# KiCad board Dhlyd2HndMax26.kicad_pcb
title: Post-Mechanical Maximux 26; date: 2026-07-06; rev: 1.3; company: Quixotic Keyboards Shop; note: Rear USB with Num Lk and Caps Lk LEDs; note: Moved U1 inboard for Case fit at USB port; note: Changed to under the keycap LED indicators; note: Corrected position pin 12 Elite-Pi
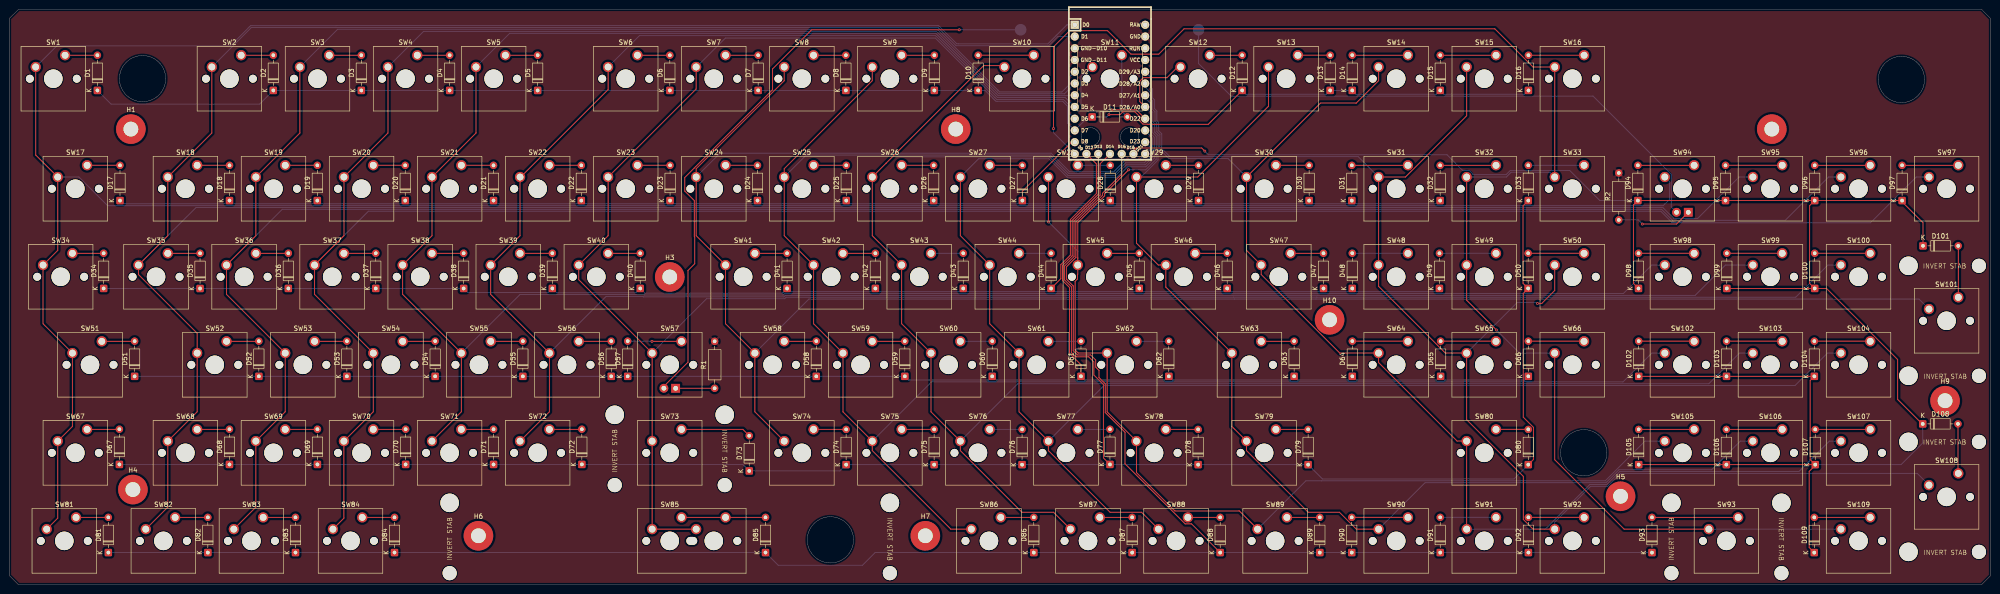
[diagram p0: board, top side]
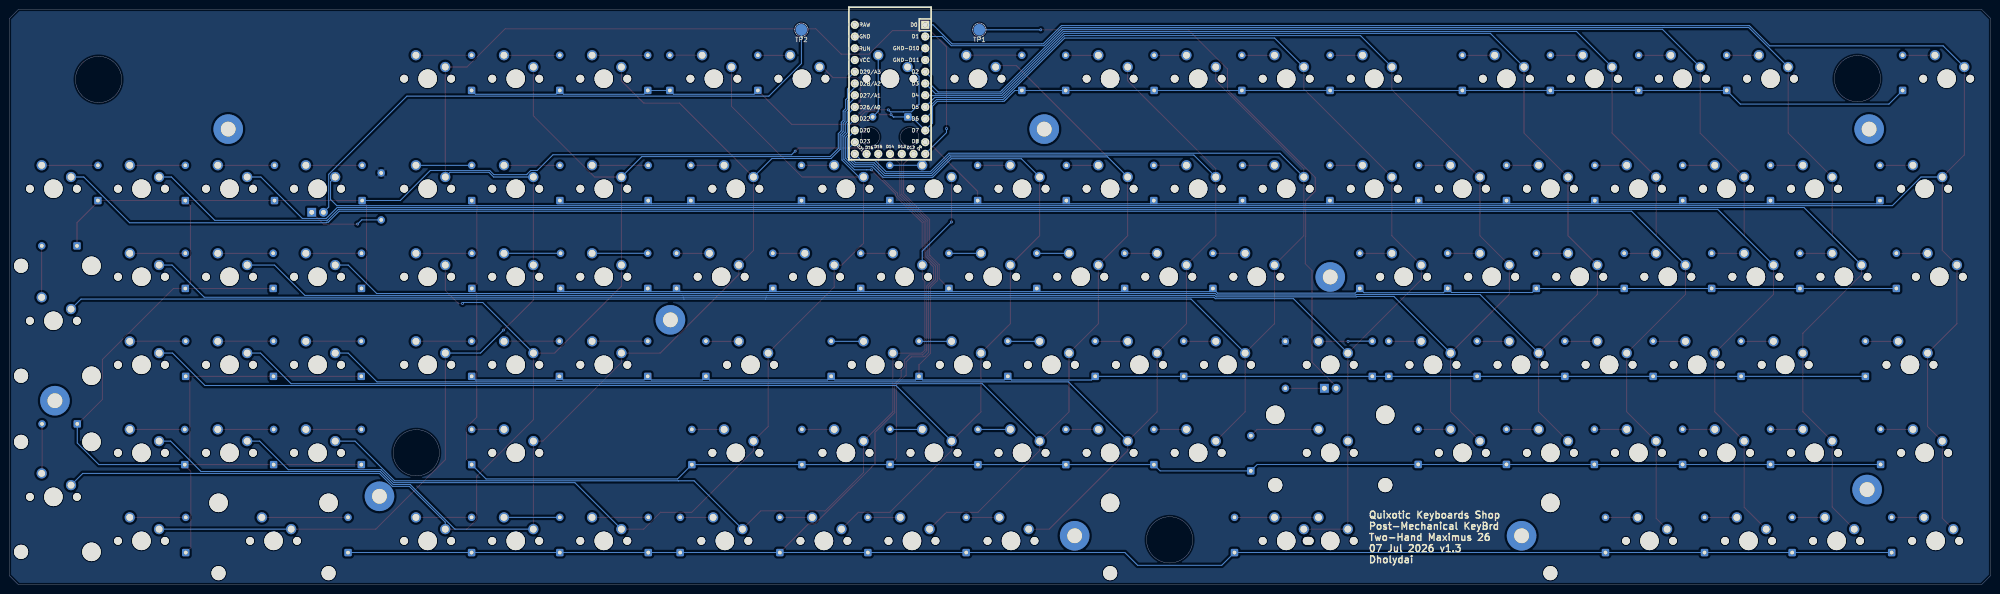
[diagram p1: board, bottom side, seen from below]

Outline 428.66 x 124.54 mm; copper layers: Top, Bottom. Coordinates in mm from the lower left corner of the outline.
Outline path: circle c28.84,109.52 r5 ; circle c177.64,9.72 r5 ; circle c233.9,96.9 r2 ; circle c242.4,96.9 r2 ; circle c340.61,28.57 r5 ; circle c409.34,109.34 r5 ; 0,2 0,122.54 2.01,124.54 426.66,124.54 428.66,122.49 428.66,2 426.66,0 2,0 0,2
Stack: Top 0.035mm / dielectric 1.51mm FR4 er 4.5 / Bottom 0.035mm

## Placement (name value [footprint] x y rotation side)
D1  1N4148  [D_DO-35_SOD27_P7.62mm_Horizontal]  19.07 106.97 90 top
D2  1N4148  [D_DO-35_SOD27_P7.62mm_Horizontal]  57.13 106.97 90 top
D3  1N4148  [D_DO-35_SOD27_P7.62mm_Horizontal]  76.17 106.97 90 top
D4  1N4148  [D_DO-35_SOD27_P7.62mm_Horizontal]  95.27 106.97 90 top
D5  1N4148  [D_DO-35_SOD27_P7.62mm_Horizontal]  114.31 106.97 90 top
D6  1N4148  [D_DO-35_SOD27_P7.62mm_Horizontal]  142.91 106.97 90 top
D7  1N4148  [D_DO-35_SOD27_P7.62mm_Horizontal]  162.01 106.97 90 top
D8  1N4148  [D_DO-35_SOD27_P7.62mm_Horizontal]  180.99 106.97 90 top
D9  1N4148  [D_DO-35_SOD27_P7.62mm_Horizontal]  200.13 106.97 90 top
D10  1N4148  [D_DO-35_SOD27_P7.62mm_Horizontal]  209.61 106.97 90 top
D11  1N4148  [D_DO-35_SOD27_P7.62mm_Horizontal]  234.27 101.24 0 top
D12  1N4148  [D_DO-35_SOD27_P7.62mm_Horizontal]  266.72 106.97 90 top
D13  1N4148  [D_DO-35_SOD27_P7.62mm_Horizontal]  285.76 106.97 90 top
D14  1N4148  [D_DO-35_SOD27_P7.62mm_Horizontal]  290.53 106.97 90 top
D15  1N4148  [D_DO-35_SOD27_P7.62mm_Horizontal]  309.57 106.97 90 top
D16  1N4148  [D_DO-35_SOD27_P7.62mm_Horizontal]  328.65 106.97 90 top
D17  1N4148  [D_DO-35_SOD27_P7.62mm_Horizontal]  23.96 83.14 90 top
D18  1N4148  [D_DO-35_SOD27_P7.62mm_Horizontal]  47.65 83.14 90 top
D19  1N4148  [D_DO-35_SOD27_P7.62mm_Horizontal]  66.65 83.14 90 top
D20  1N4148  [D_DO-35_SOD27_P7.62mm_Horizontal]  85.66 83.14 90 top
D21  1N4148  [D_DO-35_SOD27_P7.62mm_Horizontal]  104.76 83.14 90 top
D22  1N4148  [D_DO-35_SOD27_P7.62mm_Horizontal]  123.76 83.14 90 top
D23  1N4148  [D_DO-35_SOD27_P7.62mm_Horizontal]  142.96 83.14 90 top
D24  1N4148  [D_DO-35_SOD27_P7.62mm_Horizontal]  161.87 83.14 90 top
D25  1N4148  [D_DO-35_SOD27_P7.62mm_Horizontal]  181.07 83.14 90 top
D26  1N4148  [D_DO-35_SOD27_P7.62mm_Horizontal]  199.98 83.14 90 top
D27  1N4148  [D_DO-35_SOD27_P7.62mm_Horizontal]  219.17 83.14 90 top
D28  1N4148  [D_DO-35_SOD27_P7.62mm_Horizontal]  238.18 83.14 90 top
D29  1N4148  [D_DO-35_SOD27_P7.62mm_Horizontal]  257.28 83.14 90 top
D30  1N4148  [D_DO-35_SOD27_P7.62mm_Horizontal]  281.21 83.14 90 top
D31  1N4148  [D_DO-35_SOD27_P7.62mm_Horizontal]  290.44 83.14 90 top
D32  1N4148  [D_DO-35_SOD27_P7.62mm_Horizontal]  309.55 83.14 90 top
D33  1N4148  [D_DO-35_SOD27_P7.62mm_Horizontal]  328.62 83.14 90 top
D34  1N4148  [D_DO-35_SOD27_P7.62mm_Horizontal]  20.42 64.12 90 top
D35  1N4148  [D_DO-35_SOD27_P7.62mm_Horizontal]  41.28 64.11 90 top
D36  1N4148  [D_DO-35_SOD27_P7.62mm_Horizontal]  60.38 64.12 90 top
D37  1N4148  [D_DO-35_SOD27_P7.62mm_Horizontal]  79.29 64.12 90 top
D38  1N4148  [D_DO-35_SOD27_P7.62mm_Horizontal]  98.3 64.12 90 top
D39  1N4148  [D_DO-35_SOD27_P7.62mm_Horizontal]  117.49 64.12 90 top
D40  1N4148  [D_DO-35_SOD27_P7.62mm_Horizontal]  136.5 64.12 90 top
D41  1N4148  [D_DO-35_SOD27_P7.62mm_Horizontal]  168.27 64.12 90 top
D42  1N4148  [D_DO-35_SOD27_P7.62mm_Horizontal]  187.37 64.12 90 top
D43  1N4148  [D_DO-35_SOD27_P7.62mm_Horizontal]  206.38 64.12 90 top
D44  1N4148  [D_DO-35_SOD27_P7.62mm_Horizontal]  225.38 64.12 90 top
D45  1N4148  [D_DO-35_SOD27_P7.62mm_Horizontal]  244.47 64.12 90 top
D46  1N4148  [D_DO-35_SOD27_P7.62mm_Horizontal]  263.48 64.12 90 top
D47  1N4148  [D_DO-35_SOD27_P7.62mm_Horizontal]  284.31 64.12 90 top
D48  1N4148  [D_DO-35_SOD27_P7.62mm_Horizontal]  290.54 64.12 90 top
D49  1N4148  [D_DO-35_SOD27_P7.62mm_Horizontal]  309.4 64.12 90 top
D50  1N4148  [D_DO-35_SOD27_P7.62mm_Horizontal]  328.59 64.12 90 top
D51  1N4148  [D_DO-35_SOD27_P7.62mm_Horizontal]  27.12 45.1 90 top
D52  1N4148  [D_DO-35_SOD27_P7.62mm_Horizontal]  54 45.1 90 top
D53  1N4148  [D_DO-35_SOD27_P7.62mm_Horizontal]  73.04 45.1 90 top
D54  1N4148  [D_DO-35_SOD27_P7.62mm_Horizontal]  92.14 45.1 90 top
D55  1N4148  [D_DO-35_SOD27_P7.62mm_Horizontal]  111.11 45.1 90 top
D56  1N4148  [D_DO-35_SOD27_P7.62mm_Horizontal]  130.23 45.1 90 top
D57  1N4148  [D_DO-35_SOD27_P7.62mm_Horizontal]  133.79 45.1 90 top
D58  1N4148  [D_DO-35_SOD27_P7.62mm_Horizontal]  174.59 45.1 90 top
D59  1N4148  [D_DO-35_SOD27_P7.62mm_Horizontal]  193.74 45.1 90 top
D60  1N4148  [D_DO-35_SOD27_P7.62mm_Horizontal]  212.65 45.1 90 top
D61  1N4148  [D_DO-35_SOD27_P7.62mm_Horizontal]  231.85 45.1 90 top
D62  1N4148  [D_DO-35_SOD27_P7.62mm_Horizontal]  250.85 45.1 90 top
D63  1N4148  [D_DO-35_SOD27_P7.62mm_Horizontal]  277.96 45.1 90 top
D64  1N4148  [D_DO-35_SOD27_P7.62mm_Horizontal]  290.55 45.1 90 top
D65  1N4148  [D_DO-35_SOD27_P7.62mm_Horizontal]  309.65 45.1 90 top
D66  1N4148  [D_DO-35_SOD27_P7.62mm_Horizontal]  328.63 45.1 90 top
D67  1N4148  [D_DO-35_SOD27_P7.62mm_Horizontal]  23.83 26.04 90 top
D68  1N4148  [D_DO-35_SOD27_P7.62mm_Horizontal]  47.64 26.04 90 top
D69  1N4148  [D_DO-35_SOD27_P7.62mm_Horizontal]  66.67 26.04 90 top
D70  1N4148  [D_DO-35_SOD27_P7.62mm_Horizontal]  85.75 26.04 90 top
D71  1N4148  [D_DO-35_SOD27_P7.62mm_Horizontal]  104.77 26.04 90 top
D72  1N4148  [D_DO-35_SOD27_P7.62mm_Horizontal]  123.87 26.04 90 top
D73  1N4148  [D_DO-35_SOD27_P7.62mm_Horizontal]  160.08 24.64 90 top
D74  1N4148  [D_DO-35_SOD27_P7.62mm_Horizontal]  181.04 26 90 top
D75  1N4148  [D_DO-35_SOD27_P7.62mm_Horizontal]  200.08 26 90 top
D76  1N4148  [D_DO-35_SOD27_P7.62mm_Horizontal]  219.11 26 90 top
D77  1N4148  [D_DO-35_SOD27_P7.62mm_Horizontal]  238.12 26.04 90 top
D78  1N4148  [D_DO-35_SOD27_P7.62mm_Horizontal]  257.19 26 90 top
D79  1N4148  [D_DO-35_SOD27_P7.62mm_Horizontal]  280.99 26 90 top
D80  1N4148  [D_DO-35_SOD27_P7.62mm_Horizontal]  328.62 26 90 top
D81  1N4148  [D_DO-35_SOD27_P7.62mm_Horizontal]  21.44 6.97 90 top
D82  1N4148  [D_DO-35_SOD27_P7.62mm_Horizontal]  42.96 6.97 90 top
D83  1N4148  [D_DO-35_SOD27_P7.62mm_Horizontal]  61.92 6.97 90 top
D84  1N4148  [D_DO-35_SOD27_P7.62mm_Horizontal]  83.35 6.97 90 top
D85  1N4148  [D_DO-35_SOD27_P7.62mm_Horizontal]  163.61 6.97 90 top
D86  1N4148  [D_DO-35_SOD27_P7.62mm_Horizontal]  221.64 6.97 90 top
D87  1N4148  [D_DO-35_SOD27_P7.62mm_Horizontal]  242.93 6.97 90 top
D88  1N4148  [D_DO-35_SOD27_P7.62mm_Horizontal]  261.96 6.97 90 top
D89  1N4148  [D_DO-35_SOD27_P7.62mm_Horizontal]  283.51 6.97 90 top
D90  1N4148  [D_DO-35_SOD27_P7.62mm_Horizontal]  290.43 6.97 90 top
D91  1N4148  [D_DO-35_SOD27_P7.62mm_Horizontal]  309.56 6.97 90 top
D92  1N4148  [D_DO-35_SOD27_P7.62mm_Horizontal]  328.64 6.97 90 top
D93  1N4148  [D_DO-35_SOD27_P7.62mm_Horizontal]  355.38 6.96 90 top
D94  1N4148  [D_DO-35_SOD27_P7.62mm_Horizontal]  352.32 83.14 90 top
D95  1N4148  [D_DO-35_SOD27_P7.62mm_Horizontal]  371.28 83.14 90 top
D96  1N4148  [D_DO-35_SOD27_P7.62mm_Horizontal]  390.57 83.14 90 top
D97  1N4148  [D_DO-35_SOD27_P7.62mm_Horizontal]  409.48 83.14 90 top
D98  1N4148  [D_DO-35_SOD27_P7.62mm_Horizontal]  352.46 64.12 90 top
D99  1N4148  [D_DO-35_SOD27_P7.62mm_Horizontal]  371.56 64.12 90 top
D100  1N4148  [D_DO-35_SOD27_P7.62mm_Horizontal]  390.57 64.12 90 top
D101  1N4148  [D_DO-35_SOD27_P7.62mm_Horizontal]  414 73.33 0 top
D102  1N4148  [D_DO-35_SOD27_P7.62mm_Horizontal]  352.5 45.1 90 top
D103  1N4148  [D_DO-35_SOD27_P7.62mm_Horizontal]  371.5 45.1 90 top
D104  1N4148  [D_DO-35_SOD27_P7.62mm_Horizontal]  390.5 45.1 90 top
D105  1N4148  [D_DO-35_SOD27_P7.62mm_Horizontal]  352.5 26 90 top
D106  1N4148  [D_DO-35_SOD27_P7.62mm_Horizontal]  371.47 26 90 top
D107  1N4148  [D_DO-35_SOD27_P7.62mm_Horizontal]  390.69 26 90 top
D108  1N4148  [D_DO-35_SOD27_P7.62mm_Horizontal]  413.95 34.81 0 top
D109  1N4148  [D_DO-35_SOD27_P7.62mm_Horizontal]  390.48 6.96 90 top
D110  LED 2.2V  [SW_Ch_MX_LED_Template]  145.43 52.68 0 top
D111  LED 2.2V  [SW_Ch_MX_LED_Template]  364.5 90.76 0 top
H1  Hole  [MountingHole_3.2mm_M3_Pad]  26.31 98.6 0 top
H2  Hole  [MountingHole_3.2mm_M3_Pad]  381.3 98.6 0 top
H3  Hole  [MountingHole_3.2mm_M3_Pad]  142.89 66.6 0 top
H4  Hole  [MountingHole_3.2mm_M3_Pad]  26.75 20.6 0 top
H5  Hole  [MountingHole_3.2mm_M3_Pad]  348.57 19.15 0 top
H6  Hole  [MountingHole_3.2mm_M3_Pad]  101.5 10.6 0 top
H7  Hole  [MountingHole_3.2mm_M3_Pad]  198.18 10.6 0 top
H8  Hole  [MountingHole_3.2mm_M3_Pad]  204.76 98.6 0 top
H9  Hole  [MountingHole_3.2mm_M3_Pad]  418.78 39.83 0 top
H10  Hole  [MountingHole_3.2mm_M3_Pad]  285.63 57.33 0 top
R1  62 Ohm  [R_Axial_DIN0207_L6.3mm_D2.5mm_P10.16mm_Horizontal]  152.6 42.52 90 top
R2  62 Ohm  [R_Axial_DIN0207_L6.3mm_D2.5mm_P10.16mm_Horizontal]  348.2 78.95 90 top
SW1  SW_Push  [SW_Cherry_MX_1.00u_PCB]  12.08 114.58 0 top
SW2  SW_Push  [SW_Cherry_MX_1.00u_PCB]  50.17 114.58 0 top
SW3  SW_Push  [SW_Cherry_MX_1.00u_PCB]  69.23 114.58 0 top
SW4  SW_Push  [SW_Cherry_MX_1.00u_PCB]  88.27 114.58 0 top
SW5  SW_Push  [SW_Cherry_MX_1.00u_PCB]  107.33 114.58 0 top
SW6  SW_Push  [SW_Cherry_MX_1.00u_PCB]  135.9 114.58 0 top
SW7  SW_Push  [SW_Cherry_MX_1.00u_PCB]  154.95 114.58 0 top
SW8  SW_Push  [SW_Cherry_MX_1.00u_PCB]  174 114.58 0 top
SW9  SW_Push  [SW_Cherry_MX_1.00u_PCB]  193.05 114.58 0 top
SW10  SW_Push  [SW_Cherry_MX_1.00u_PCB]  221.62 114.58 0 top
SW11  SW_Push  [SW_Cherry_MX_1.00u_PCB]  240.68 114.58 0 top
SW12  SW_Push  [SW_Cherry_MX_1.00u_PCB]  259.72 114.58 0 top
SW13  SW_Push  [SW_Cherry_MX_1.00u_PCB]  278.77 114.58 0 top
SW14  SW_Push  [SW_Cherry_MX_1.00u_PCB]  302.59 114.58 0 top
SW15  SW_Push  [SW_Cherry_MX_1.00u_PCB]  321.64 114.58 0 top
SW16  SW_Push  [SW_Cherry_MX_1.00u_PCB]  340.69 114.59 0 top
SW17  SW_Push  [SW_Cherry_MX_1.50u_PCB]  16.84 90.77 0 top
SW18  SW_Push  [SW_Cherry_MX_1.00u_PCB]  40.66 90.77 0 top
SW19  SW_Push  [SW_Cherry_MX_1.00u_PCB]  59.7 90.77 0 top
SW20  SW_Push  [SW_Cherry_MX_1.00u_PCB]  78.76 90.77 0 top
SW21  SW_Push  [SW_Cherry_MX_1.00u_PCB]  97.8 90.77 0 top
SW22  SW_Push  [SW_Cherry_MX_1.00u_PCB]  116.86 90.77 0 top
SW23  SW_Push  [SW_Cherry_MX_1.00u_PCB]  135.9 90.77 0 top
SW24  SW_Push  [SW_Cherry_MX_1.00u_PCB]  154.95 90.77 0 top
SW25  SW_Push  [SW_Cherry_MX_1.00u_PCB]  174 90.77 0 top
SW26  SW_Push  [SW_Cherry_MX_1.00u_PCB]  193.06 90.77 0 top
SW27  SW_Push  [SW_Cherry_MX_1.00u_PCB]  212.1 90.77 0 top
SW28  SW_Push  [SW_Cherry_MX_1.00u_PCB]  231.15 90.77 0 top
SW29  SW_Push  [SW_Cherry_MX_1.00u_PCB]  250.2 90.77 0 top
SW30  SW_Push  [SW_Cherry_MX_1.50u_PCB]  274.02 90.77 0 top
SW31  SW_Push  [SW_Cherry_MX_1.00u_PCB]  302.59 90.77 0 top
SW32  SW_Push  [SW_Cherry_MX_1.00u_PCB]  321.64 90.77 0 top
SW33  SW_Push  [SW_Cherry_MX_1.00u_PCB]  340.69 90.77 0 top
SW34  SW_Push  [SW_Cherry_MX_1.1666u_PCB]  13.66 71.72 0 top
SW35  SW_Push  [SW_Cherry_MX_1.00u_PCB]  34.3 71.72 0 top
SW36  SW_Push  [SW_Cherry_MX_1.00u_PCB]  53.35 71.72 0 top
SW37  SW_Push  [SW_Cherry_MX_1.00u_PCB]  72.4 71.72 0 top
SW38  SW_Push  [SW_Cherry_MX_1.00u_PCB]  91.45 71.72 0 top
SW39  SW_Push  [SW_Cherry_MX_1.00u_PCB]  110.5 71.72 0 top
SW40  SW_Push  [SW_Cherry_MX_1.00u_PCB]  129.55 71.72 0 top
SW41  SW_Push  [SW_Cherry_MX_1.00u_PCB]  161.31 71.72 0 top
SW42  SW_Push  [SW_Cherry_MX_1.00u_PCB]  180.36 71.72 0 top
SW43  SW_Push  [SW_Cherry_MX_1.00u_PCB]  199.4 71.72 0 top
SW44  SW_Push  [SW_Cherry_MX_1.00u_PCB]  218.45 71.72 0 top
SW45  SW_Push  [SW_Cherry_MX_1.00u_PCB]  237.5 71.72 0 top
SW46  SW_Push  [SW_Cherry_MX_1.00u_PCB]  256.56 71.72 0 top
SW47  SW_Push  [SW_Cherry_MX_1.1666u_PCB]  277.19 71.72 0 top
SW48  SW_Push  [SW_Cherry_MX_1.00u_PCB]  302.58 71.72 0 top
SW49  SW_Push  [SW_Cherry_MX_1.00u_PCB]  321.63 71.72 0 top
SW50  SW_Push  [SW_Cherry_MX_1.00u_PCB]  340.69 71.72 0 top
SW51  SW_Push  [SW_Cherry_MX_1.8333u_PCB]  20.02 52.67 0 top
SW52  SW_Push  [SW_Cherry_MX_1.00u_PCB]  47 52.67 0 top
SW53  SW_Push  [SW_Cherry_MX_1.00u_PCB]  66.05 52.67 0 top
SW54  SW_Push  [SW_Cherry_MX_1.00u_PCB]  85.11 52.67 0 top
SW55  SW_Push  [SW_Cherry_MX_1.00u_PCB]  104.15 52.67 0 top
SW56  SW_Push  [SW_Cherry_MX_1.00u_PCB]  123.2 52.67 0 top
SW57  SW_Push  [SW_Cherry_MX_1.3333u_PCB]  145.43 52.67 0 top
SW58  SW_Push  [SW_Cherry_MX_1.00u_PCB]  167.65 52.67 0 top
SW59  SW_Push  [SW_Cherry_MX_1.00u_PCB]  186.7 52.67 0 top
SW60  SW_Push  [SW_Cherry_MX_1.00u_PCB]  205.75 52.67 0 top
SW61  SW_Push  [SW_Cherry_MX_1.00u_PCB]  224.81 52.67 0 top
SW62  SW_Push  [SW_Cherry_MX_1.00u_PCB]  243.85 52.67 0 top
SW63  SW_Push  [SW_Cherry_MX_1.8333u_PCB]  270.84 52.67 0 top
SW64  SW_Push  [SW_Cherry_MX_1.00u_PCB]  302.58 52.68 0 top
SW65  SW_Push  [SW_Cherry_MX_1.00u_PCB]  321.63 52.68 0 top
SW66  SW_Push  [SW_Cherry_MX_1.00u_PCB]  340.68 52.68 0 top
SW67  SW_Push  [SW_Cherry_MX_1.50u_PCB]  16.84 33.62 0 top
SW68  SW_Push  [SW_Cherry_MX_1.00u_PCB]  40.65 33.62 0 top
SW69  SW_Push  [SW_Cherry_MX_1.00u_PCB]  59.7 33.62 0 top
SW70  SW_Push  [SW_Cherry_MX_1.00u_PCB]  78.75 33.62 0 top
SW71  SW_Push  [SW_Cherry_MX_1.00u_PCB]  97.8 33.62 0 top
SW72  SW_Push  [SW_Cherry_MX_1.00u_PCB]  116.85 33.62 0 top
SW73  SW_Push  [SW_Ch_Inv_MX_2.00u_PCB]  145.43 33.62 0 top
SW74  SW_Push  [SW_Cherry_MX_1.00u_PCB]  174 33.62 0 top
SW75  SW_Push  [SW_Cherry_MX_1.00u_PCB]  193.05 33.62 0 top
SW76  SW_Push  [SW_Cherry_MX_1.00u_PCB]  212.1 33.62 0 top
SW77  SW_Push  [SW_Cherry_MX_1.00u_PCB]  231.15 33.62 0 top
SW78  SW_Push  [SW_Cherry_MX_1.00u_PCB]  250.2 33.62 0 top
SW79  SW_Push  [SW_Cherry_MX_1.50u_PCB]  274.01 33.62 0 top
SW80  SW_Push  [SW_Cherry_MX_1.00u_PCB]  321.63 33.63 0 top
SW81  SW_Push  [SW_Cherry_MX_1.25u_PCB]  14.45 14.57 0 top
SW82  SW_Push  [SW_Cherry_MX_1.00u_PCB]  35.89 14.57 0 top
SW83  SW_Push  [SW_Cherry_MX_1.00u_PCB]  54.94 14.57 0 top
SW84  SW_Push  [SW_Cherry_MX_1.25u_PCB]  76.37 14.57 0 top
SW85  SW_Push  [SW_Ch_Inv_MX_6.00u_PCB_Stagger]  145.43 14.57 0 top
SW86  SW_Push  [SW_Cherry_MX_1.25u_PCB]  214.48 14.57 0 top
SW87  SW_Push  [SW_Cherry_MX_1.00u_PCB]  235.92 14.57 0 top
SW88  SW_Push  [SW_Cherry_MX_1.00u_PCB]  254.97 14.57 0 top
SW89  SW_Push  [SW_Cherry_MX_1.25u_PCB]  276.4 14.57 0 top
SW90  SW_Push  [SW_Cherry_MX_1.00u_PCB]  302.59 14.57 0 top
SW91  SW_Push  [SW_Cherry_MX_1.00u_PCB]  321.64 14.57 0 top
SW92  SW_Push  [SW_Cherry_MX_1.00u_PCB]  340.69 14.57 0 top
SW93  SW_Push  [SW_Ch_Inv_MX_2.00u_PCB]  374.02 14.57 0 top
SW94  SW_Push  [SW_Cherry_MX_1.00u_PCB]  364.5 90.77 0 top
SW95  SW_Push  [SW_Cherry_MX_1.00u_PCB]  383.55 90.77 0 top
SW96  SW_Push  [SW_Cherry_MX_1.00u_PCB]  402.6 90.77 0 top
SW97  SW_Push  [SW_Cherry_MX_1.00u_PCB]  421.65 90.77 0 top
SW98  SW_Push  [SW_Cherry_MX_1.00u_PCB]  364.5 71.72 0 top
SW99  SW_Push  [SW_Cherry_MX_1.00u_PCB]  383.55 71.72 0 top
SW100  SW_Push  [SW_Cherry_MX_1.00u_PCB]  402.6 71.72 0 top
SW101  SW_Push  [SW_Ch_Inv_MX_2.00u_Vertical_PCB]  421.65 62.2 0 top
SW102  SW_Push  [SW_Cherry_MX_1.00u_PCB]  364.5 52.67 0 top
SW103  SW_Push  [SW_Cherry_MX_1.00u_PCB]  383.55 52.67 0 top
SW104  SW_Push  [SW_Cherry_MX_1.00u_PCB]  402.6 52.67 0 top
SW105  SW_Push  [SW_Cherry_MX_1.00u_PCB]  364.5 33.62 0 top
SW106  SW_Push  [SW_Cherry_MX_1.00u_PCB]  383.55 33.62 0 top
SW107  SW_Push  [SW_Cherry_MX_1.00u_PCB]  402.6 33.62 0 top
SW108  SW_Push  [SW_Ch_Inv_MX_2.00u_Vertical_PCB]  421.65 24.1 0 top
SW109  SW_Push  [SW_Cherry_MX_1.00u_PCB]  402.6 14.57 0 top
TP1  TestPoint  [TestPoint_Pad_D2.5mm]  218.8 120.1 0 bottom
TP2  TestPoint  [TestPoint_Pad_D2.5mm]  257.3 120.1 0 bottom
U1  -  [Elite-Pi]  238.12 107.2 270 top

## Library data of the parts
D1-D109 = -: Datasheet: https://assets.nexperia.com/documents/data-sheet/1N4148_1N4448.pdf; Description: 100V 0.15A standard switching diode, DO-35; Sim.Device: D; Sim.Pins: 1=K 2=A; ki_fp_filters: D*DO?35*
D110 D111 = -: Description: Light emitting diode; Sim.Pins: 1=K 2=A; ki_fp_filters: LED* LED_SMD:* LED_THT:*
H1-H10 = -: Description: Mounting Hole without connection; ki_fp_filters: MountingHole*
R1 R2 = -: Description: Resistor, US symbol; ki_fp_filters: R_*
SW1-SW109 = -: Description: Push button switch, generic, two pins
TP1 TP2 = -: Description: test point; ki_fp_filters: Pin* Test*

## Footprints (pads in the part's own frame, mm; a bottom-side part is the same pattern mirrored in y, then rotated)
D_DO-35_SOD27_P7.62mm_Horizontal
  rrect 1.6x1.6 hole 0.8: 1(0,0)
  round 1.6 hole 0.8: 2(7.62,0)
Elite-Pi
  rect 1.753x1.753 hole 1.092: 1(-13.97,-7.62)
  round 1.753 hole 1.092: 2(-11.43,-7.62) 3(-8.89,-7.62) 4(-6.35,-7.62) 5(-3.81,-7.62) 6(-1.27,-7.62) 7(1.27,-7.62) 8(3.81,-7.62) 9(6.35,-7.62) 10(8.89,-7.62) 11(11.43,-7.62) 12(13.97,-7.62) 13(13.97,7.62) 14(11.43,7.62) 15(8.89,7.62) 16(6.35,7.62) 17(3.81,7.62) 18(1.27,7.62) 19(-1.27,7.62) 20(-3.81,7.62) 21(-6.35,7.62) 22(-8.89,7.62) 23(-11.43,7.62) 24(-13.97,7.62) 25(13.97,-5.08) 26(13.97,-2.54) 27(13.97,0) 28(13.97,2.54) 29(13.97,5.08)
MountingHole_3.2mm_M3_Pad
  round 6.4 hole 3.2: 1(0,0)
R_Axial_DIN0207_L6.3mm_D2.5mm_P10.16mm_Horizontal
  round 1.6 hole 0.8: 1(0,0) 2(10.16,0)
SW_Ch_Inv_MX_2.00u_PCB
  round 4 hole 4 unplated: (-14.44,3.15) (-2.54,-5.08) (9.36,3.15)
  round 3.05 hole 3.05 unplated: (-14.44,-12.06) (9.36,-12.06)
  round 1.7 hole 1.7 unplated: (-7.62,-5.08) (2.54,-5.08)
  round 2.2 hole 1.5: 1(0,0) 2(-6.35,-2.54)
SW_Ch_Inv_MX_2.00u_Vertical_PCB
  round 4 hole 4 unplated: (-10.78,6.82) (-10.78,-16.98) (-2.54,-5.08)
  round 1.7 hole 1.7 unplated: (-7.62,-5.08) (2.54,-5.08)
  round 3.05 hole 3.05 unplated: (4.46,6.82) (4.46,-16.98)
  round 2.2 hole 1.5: 1(0,0) 2(-6.35,-2.54)
SW_Ch_Inv_MX_6.00u_PCB_Stagger
  round 4 hole 4 unplated: (-50.159,3.15) (-2.54,-5.08) (6.985,-5.08) (45.079,3.15)
  round 3.05 hole 3.05 unplated: (-50.159,-12.06) (45.079,-12.06)
  round 1.7 hole 1.7 unplated: (-7.62,-5.08) (12.065,-5.08)
  oval 2.335x1.7 hole 2.335x1.7 unplated: (2.223,-5.08)
  round 2.2 hole 1.5: 1(0,0) 1(9.525,0) 2(-6.35,-2.54) 2(3.175,-2.54)
SW_Ch_MX_LED_Template
  rect 1.905x1.905 hole 1.04: 1(-1.27,-10.16)
  round 1.905 hole 1.04: 2(-3.81,-10.16)
SW_Cherry_MX_1.00u_PCB
  round 1.7 hole 1.7 unplated: (-7.62,-5.08) (2.54,-5.08)
  round 4 hole 4 unplated: (-2.54,-5.08)
  round 2.2 hole 1.5: 1(0,0) 2(-6.35,-2.54)
SW_Cherry_MX_1.25u_PCB
  round 1.7 hole 1.7 unplated: (-7.62,-5.08) (2.54,-5.08)
  round 4 hole 4 unplated: (-2.54,-5.08)
  round 2.2 hole 1.5: 1(0,0) 2(-6.35,-2.54)
SW_Cherry_MX_1.50u_PCB
  round 1.7 hole 1.7 unplated: (-7.62,-5.08) (2.54,-5.08)
  round 4 hole 4 unplated: (-2.54,-5.08)
  round 2.2 hole 1.5: 1(0,0) 2(-6.35,-2.54)
SW_Cherry_MX_1.1666u_PCB
  round 1.7 hole 1.7 unplated: (-7.62,-5.08) (2.54,-5.08)
  round 4 hole 4 unplated: (-2.54,-5.08)
  round 2.2 hole 1.5: 1(0,0) 2(-6.35,-2.54)
SW_Cherry_MX_1.3333u_PCB
  round 1.7 hole 1.7 unplated: (-7.62,-5.08) (2.54,-5.08)
  round 4 hole 4 unplated: (-2.54,-5.08)
  round 2.2 hole 1.5: 1(0,0) 2(-6.35,-2.54)
SW_Cherry_MX_1.8333u_PCB
  round 1.7 hole 1.7 unplated: (-7.62,-5.08) (2.54,-5.08)
  round 4 hole 4 unplated: (-2.54,-5.08)
  round 2.2 hole 1.5: 1(0,0) 2(-6.35,-2.54)
TestPoint_Pad_D2.5mm
  round 2.5 smd: 1(0,0)